# KiCad board mixer.pcb.kicad_pcb (continued)
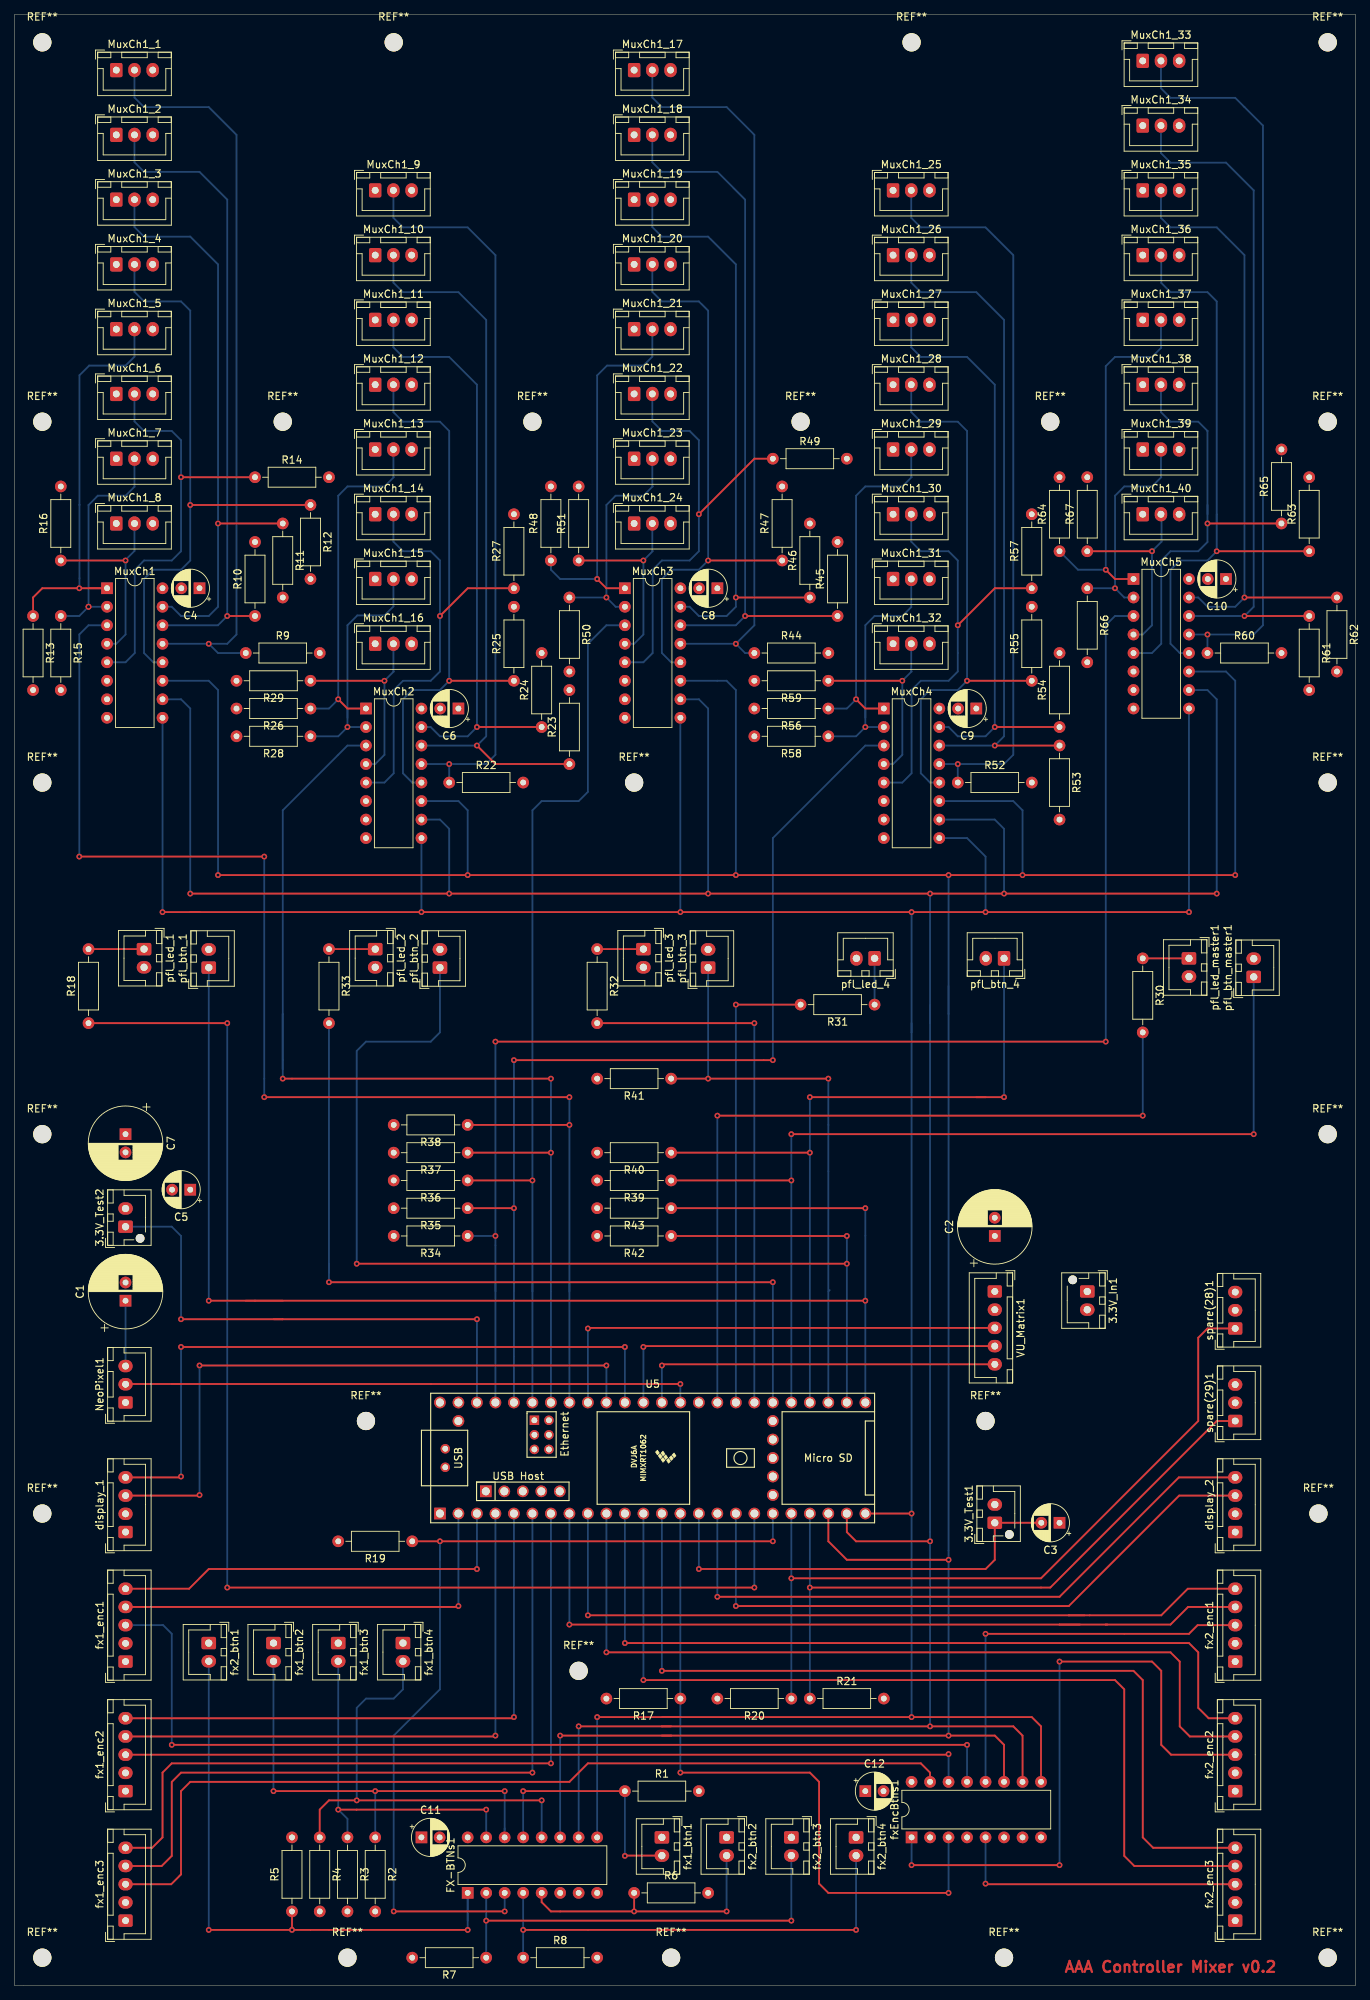
[diagram p0: board, top side]
## Nets
+3V3: 3.3V_In1.1 3.3V_Test1.2 3.3V_Test2.2 C1.1 C2.1 C4.2 C5.2 C6.2 C7.2 C8.2 C9.2 C10.2 C11.2 C12.2 display_1.1 display_2.1 fx1_btn1.1 fx1_btn2.1 fx1_btn3.1 fx1_btn4.1 fx1_enc1.2 fx1_enc2.2 fx1_enc3.2 fx2_btn1.1 fx2_btn2.1 fx2_btn3.1 fx2_btn4.1 fx2_enc1.2 fx2_enc2.2 fx2_enc3.2 FX-BTNs1.16 fxEncBtns1.16 MuxCh1.16 MuxCh1_1.1 MuxCh1_2.1 MuxCh1_3.1 MuxCh1_4.1 MuxCh1_5.1 MuxCh1_6.1 MuxCh1_7.1 MuxCh1_8.1 MuxCh1_9.1 MuxCh1_10.1 MuxCh1_11.1 MuxCh1_12.1 MuxCh1_13.1 MuxCh1_14.1 MuxCh1_15.1 MuxCh1_16.1 MuxCh1_17.1 MuxCh1_18.1 MuxCh1_19.1 MuxCh1_20.1 MuxCh1_21.1 MuxCh1_22.1 MuxCh1_23.1 MuxCh1_24.1 MuxCh1_25.1 MuxCh1_26.1 MuxCh1_27.1 MuxCh1_28.1 MuxCh1_29.1 MuxCh1_30.1 MuxCh1_31.1 MuxCh1_32.1 MuxCh1_33.1 MuxCh1_34.1 MuxCh1_35.1 MuxCh1_36.1 MuxCh1_37.1 MuxCh1_38.1 MuxCh1_39.1 MuxCh1_40.1 MuxCh2.16 MuxCh3.16 MuxCh4.16 MuxCh5.16 NeoPixel1.3 pfl_btn_1.2 pfl_btn_2.2 pfl_btn_3.2 pfl_btn_4.2 pfl_btn_master1.2 pfl_led_1.2 pfl_led_2.2 pfl_led_3.2 pfl_led_4.2 pfl_led_master1.2 spare(28)1.3 spare(29)1.3 VU_Matrix1.1
GND: 3.3V_In1.2 C1.2 C2.2 C3.1 C4.1 C5.1 C6.1 C7.1 C8.1 C9.1 C10.1 C11.1 C12.1 display_1.2 display_2.2 fx1_enc1.1 fx1_enc2.1 fx1_enc3.1 fx2_enc1.1 fx2_enc2.1 fx2_enc3.1 FX-BTNs1.6 FX-BTNs1.7 FX-BTNs1.8 fxEncBtns1.6 fxEncBtns1.7 fxEncBtns1.8 MuxCh1.6 MuxCh1.7 MuxCh1.8 MuxCh1_1.3 MuxCh1_2.3 MuxCh1_3.3 MuxCh1_4.3 MuxCh1_5.3 MuxCh1_6.3 MuxCh1_7.3 MuxCh1_8.3 MuxCh1_9.3 MuxCh1_10.3 MuxCh1_11.3 MuxCh1_12.3 MuxCh1_13.3 MuxCh1_14.3 MuxCh1_15.3 MuxCh1_16.3 MuxCh1_17.3 MuxCh1_18.3 MuxCh1_19.3 MuxCh1_20.3 MuxCh1_21.3 MuxCh1_22.3 MuxCh1_23.3 MuxCh1_24.3 MuxCh1_25.3 MuxCh1_26.3 MuxCh1_27.3 MuxCh1_28.3 MuxCh1_29.3 MuxCh1_30.3 MuxCh1_31.3 MuxCh1_32.3 MuxCh1_33.3 MuxCh1_34.3 MuxCh1_35.3 MuxCh1_36.3 MuxCh1_37.3 MuxCh1_38.3 MuxCh1_39.3 MuxCh1_40.3 MuxCh2.6 MuxCh2.7 MuxCh2.8 MuxCh3.6 MuxCh3.7 MuxCh3.8 MuxCh4.6 MuxCh4.7 MuxCh4.8 MuxCh5.6 MuxCh5.7 MuxCh5.8 NeoPixel1.1 R1.2 R2.2 R3.2 R4.2 R5.2 R6.2 R7.2 R8.2 R9.2 R10.2 R11.2 R12.2 R13.2 R14.2 R15.2 R16.2 R17.2 R19.2 R20.2 R21.2 R22.2 R23.2 R24.2 R25.2 R26.2 R27.2 R28.2 R29.2 R34.2 R35.2 R36.2 R37.2 R38.2 R39.2 R40.2 R41.2 R42.2 R43.2 R44.2 R45.2 R46.2 R47.2 R48.2 R49.2 R50.2 R51.2 R52.2 R53.2 R54.2 R55.2 R56.2 R57.2 R58.2 R59.2 R60.2 R61.2 R62.2 R63.2 R64.2 R65.2 R66.2 R67.2 spare(28)1.2 spare(29)1.2 U5.1 U5.34 U5.47 VU_Matrix1.2
display_scl1: display_1.4 U5.38
display_scl2: display_2.4 U5.16
display_sda1: display_1.3 U5.39
display_sda2: display_2.3 U5.17
mux_ch1: MuxCh1.3 R38.1 U5.41
mux_ch2: MuxCh2.3 R37.1 U5.42
mux_ch3: MuxCh3.3 R36.1 U5.43
mux_ch4: MuxCh4.3 R35.1 U5.44
mux_encBtn_fx: fxEncBtns1.3 R17.1 U5.14
mux_master: MuxCh5.3 R34.1 U5.45
mux_selBtn_fx: FX-BTNs1.3 R19.1 U5.19
neopixel: NeoPixel1.2 U5.35
pfl_btn_ch1: pfl_btn_1.1 R43.1 U5.25
pfl_btn_ch2: pfl_btn_2.1 R42.1 U5.26
pfl_btn_ch3: pfl_btn_3.1 R41.1 U5.27
pfl_btn_ch4: pfl_btn_4.1 R40.1 U5.28
pfl_btn_master: pfl_btn_master1.1 R39.1 U5.29
pfl_led_ch1: pfl_led_1.1 R18.2
pfl_led_ch2: pfl_led_2.1 R33.1
pfl_led_ch3: pfl_led_3.1 R32.1
pfl_led_ch4: pfl_led_4.1 R31.1
pfl_led_master: pfl_led_master1.1 R30.1
pin28: R20.1 spare(28)1.1 U5.20
pin29: R21.1 spare(29)1.1 U5.21
rEnc0_clk: fx1_enc1.5 U5.3
rEnc0_DT: fx1_enc1.4 U5.2
rEnc1_clk: fx1_enc2.5 U5.5
rEnc1_DT: fx1_enc2.4 U5.4
rEnc2_clk: fx1_enc3.5 U5.7
rEnc2_DT: fx1_enc3.4 U5.6
rEnc3_clk: fx2_enc1.5 U5.9
rEnc3_DT: fx2_enc1.4 U5.8
rEnc4_clk: fx2_enc2.5 U5.11
rEnc4_DT: fx2_enc2.4 U5.10
rEnc5_clk: fx2_enc3.5 U5.13
rEnc5_DT: fx2_enc3.4 U5.12
s0: FX-BTNs1.11 fxEncBtns1.11 MuxCh1.11 MuxCh2.11 MuxCh3.11 MuxCh4.11 MuxCh5.11 U5.22
s1: FX-BTNs1.10 fxEncBtns1.10 MuxCh1.10 MuxCh2.10 MuxCh3.10 MuxCh4.10 MuxCh5.10 U5.23
s2: FX-BTNs1.9 fxEncBtns1.9 MuxCh1.9 MuxCh2.9 MuxCh3.9 MuxCh4.9 MuxCh5.9 U5.24
vu_clk: U5.36 VU_Matrix1.5
vu_cs: U5.37 VU_Matrix1.4
vu_din: U5.40 VU_Matrix1.3
Net-(3.3V_Test1-Pad1): 3.3V_Test1.1 C3.2 U5.15
Net-(3.3V_Test2-Pad1): 3.3V_Test2.1 U5.46
Net-(fx1_enc1-Pad3): fx1_enc1.3 fxEncBtns1.13
Net-(fx1_enc2-Pad3): fx1_enc2.3 fxEncBtns1.14
Net-(fx1_enc3-Pad3): fx1_enc3.3 fxEncBtns1.15
Net-(fx2_enc1-Pad3): fx2_enc1.3 fxEncBtns1.12
Net-(fx2_enc2-Pad3): fx2_enc2.3 fxEncBtns1.1
Net-(fx2_enc3-Pad3): fx2_enc3.3 fxEncBtns1.5
Net-(FX-BTNs1-Pad1): fx2_btn1.2 FX-BTNs1.1 R5.1
Net-(FX-BTNs1-Pad2): fx2_btn3.2 FX-BTNs1.2 R7.1
Net-(FX-BTNs1-Pad4): fx2_btn4.2 FX-BTNs1.4 R8.1
Net-(FX-BTNs1-Pad5): fx2_btn2.2 FX-BTNs1.5 R6.1
Net-(FX-BTNs1-Pad12): fx1_btn4.2 FX-BTNs1.12 R4.1
Net-(FX-BTNs1-Pad13): fx1_btn1.2 FX-BTNs1.13 R1.1
Net-(FX-BTNs1-Pad14): fx1_btn2.2 FX-BTNs1.14 R2.1
Net-(FX-BTNs1-Pad15): fx1_btn3.2 FX-BTNs1.15 R3.1
Net-(fxEncBtns1-Pad2): fxEncBtns1.2
Net-(fxEncBtns1-Pad4): fxEncBtns1.4
Net-(MuxCh1-Pad1): MuxCh1.1 MuxCh1_5.2 R13.1
Net-(MuxCh1-Pad2): MuxCh1.2 MuxCh1_7.2 R15.1
Net-(MuxCh1-Pad4): MuxCh1.4 MuxCh1_8.2 R16.1
Net-(MuxCh1-Pad5): MuxCh1.5 MuxCh1_6.2 R14.1
Net-(MuxCh1-Pad12): MuxCh1.12 MuxCh1_4.2 R12.1
Net-(MuxCh1-Pad13): MuxCh1.13 MuxCh1_1.2 R9.1
Net-(MuxCh1-Pad14): MuxCh1.14 MuxCh1_2.2 R10.1
Net-(MuxCh1-Pad15): MuxCh1.15 MuxCh1_3.2 R11.1
Net-(MuxCh1_9-Pad2): MuxCh1_9.2 MuxCh2.13 R22.1
Net-(MuxCh1_10-Pad2): MuxCh1_10.2 MuxCh2.14 R23.1
Net-(MuxCh1_11-Pad2): MuxCh1_11.2 MuxCh2.15 R24.1
Net-(MuxCh1_12-Pad2): MuxCh1_12.2 MuxCh2.12 R25.1
Net-(MuxCh1_13-Pad2): MuxCh1_13.2 MuxCh2.1 R26.1
Net-(MuxCh1_14-Pad2): MuxCh1_14.2 MuxCh2.5 R27.1
Net-(MuxCh1_15-Pad2): MuxCh1_15.2 MuxCh2.2 R28.1
Net-(MuxCh1_16-Pad2): MuxCh1_16.2 MuxCh2.4 R29.1
Net-(MuxCh1_17-Pad2): MuxCh1_17.2 MuxCh3.13 R44.1
Net-(MuxCh1_18-Pad2): MuxCh1_18.2 MuxCh3.14 R45.1
Net-(MuxCh1_19-Pad2): MuxCh1_19.2 MuxCh3.15 R46.1
Net-(MuxCh1_20-Pad2): MuxCh1_20.2 MuxCh3.12 R47.1
Net-(MuxCh1_21-Pad2): MuxCh1_21.2 MuxCh3.1 R48.1
Net-(MuxCh1_22-Pad2): MuxCh1_22.2 MuxCh3.5 R49.1
Net-(MuxCh1_23-Pad2): MuxCh1_23.2 MuxCh3.2 R50.1
Net-(MuxCh1_24-Pad2): MuxCh1_24.2 MuxCh3.4 R51.1
Net-(MuxCh1_25-Pad2): MuxCh1_25.2 MuxCh4.13 R52.1
Net-(MuxCh1_26-Pad2): MuxCh1_26.2 MuxCh4.14 R53.1
Net-(MuxCh1_27-Pad2): MuxCh1_27.2 MuxCh4.15 R54.1
Net-(MuxCh1_28-Pad2): MuxCh1_28.2 MuxCh4.12 R55.1
Net-(MuxCh1_29-Pad2): MuxCh1_29.2 MuxCh4.1 R56.1
Net-(MuxCh1_30-Pad2): MuxCh1_30.2 MuxCh4.5 R57.1
Net-(MuxCh1_31-Pad2): MuxCh1_31.2 MuxCh4.2 R58.1
Net-(MuxCh1_32-Pad2): MuxCh1_32.2 MuxCh4.4 R59.1
Net-(MuxCh1_33-Pad2): MuxCh1_33.2 MuxCh5.13 R60.1
Net-(MuxCh1_34-Pad2): MuxCh1_34.2 MuxCh5.14 R61.1
Net-(MuxCh1_35-Pad2): MuxCh1_35.2 MuxCh5.15 R62.1
Net-(MuxCh1_36-Pad2): MuxCh1_36.2 MuxCh5.12 R63.1
Net-(MuxCh1_37-Pad2): MuxCh1_37.2 MuxCh5.1 R64.1
Net-(MuxCh1_38-Pad2): MuxCh1_38.2 MuxCh5.5 R65.1
Net-(MuxCh1_39-Pad2): MuxCh1_39.2 MuxCh5.2 R66.1
Net-(MuxCh1_40-Pad2): MuxCh1_40.2 MuxCh5.4 R67.1
Net-(R18-Pad1): R18.1 U5.18
Net-(R30-Pad2): R30.2 U5.33
Net-(R31-Pad2): R31.2 U5.32
Net-(R32-Pad2): R32.2 U5.31
Net-(R33-Pad2): R33.2 U5.30
Net-(U5-Pad48): U5.48
Net-(U5-Pad49): U5.49
Net-(U5-Pad50): U5.50
Net-(U5-Pad51): U5.51
Net-(U5-Pad52): U5.52
Net-(U5-Pad53): U5.53
Net-(U5-Pad54): U5.54
Net-(U5-Pad55): U5.55
Net-(U5-Pad56): U5.56
Net-(U5-Pad57): U5.57
Net-(U5-Pad58): U5.58
Net-(U5-Pad59): U5.59
Net-(U5-Pad60): U5.60
Net-(U5-Pad61): U5.61
Net-(U5-Pad62): U5.62
Net-(U5-Pad63): U5.63
Net-(U5-Pad64): U5.64
Net-(U5-Pad65): U5.65
Net-(U5-Pad66): U5.66
Net-(U5-Pad67): U5.67

## Via types
v1: diameter 0.8, hole 0.4, Top to Bottom, 167 vias

## Routing (per net, layer and track width the routed paths; a pad name or vN(x,y) marks a point on that pad's centre or on a via; arc(x,y) is an arc through that point)
+3V3: length 9
  Bottom w0.25: C1.1 NeoPixel1.3
display_scl1: length 94
  Top w0.25: v1(22.86,69.85) 22.74,69.73 display_1.4 ; v1(22.86,87.63) v1(83.82,87.63)
  Bottom w0.25: v1(22.86,69.85) v1(22.86,87.63) ; v1(83.82,87.63) U5.38
display_scl2: length 89.3
  Top w0.25: v1(96.52,53.34) 143.51,53.34 159.9,69.73 display_2.4
  Bottom w0.25: v1(96.52,53.34) U5.16
display_sda1: length 88.9
  Top w0.25: display_1.3 25.32,67.23 v1(25.4,67.31) ; v1(81.28,85.09) v1(25.4,85.09)
  Bottom w0.25: U5.39 v1(81.28,85.09) ; v1(25.4,67.31) v1(25.4,85.09)
display_sda2: length 87.6
  Top w0.25: display_2.3 159.94,67.23 144.78,52.07 v1(99.06,52.07)
  Bottom w0.25: v1(99.06,52.07) U5.17
mux_ch1: length 192.3
  Top w0.25: v1(34.29,121.92) v1(76.2,121.92) ; R38.1 v1(76.2,118.11) ; v1(8.89,154.94) v1(34.29,154.94)
  Bottom w0.25: 76.2,95.25 76.2,96.52 ; 76.2,96.52 U5.41 ; 76.2,96.52 v1(76.2,121.92) ; v1(8.89,154.94) 8.89,185.42 10.16,186.69 MuxCh1.3 ; v1(34.29,154.94) v1(34.29,121.92)
mux_ch2: length 152.3
  Top w0.25: R37.1 v1(73.66,114.3) ; v1(36.83,124.46) v1(73.66,124.46)
  Bottom w0.25: v1(36.83,124.46) 36.83,133.35 ; 36.83,133.35 36.83,125.73 ; 36.83,133.35 36.83,161.29 45.72,170.18 MuxCh2.3 ; v1(73.66,124.46) v1(73.66,114.3) U5.42
mux_ch3: length 126.6
  Top w0.25: R36.1 v1(71.12,110.49)
  Bottom w0.25: U5.43 71.12,96.52 ; 71.12,96.52 71.12,95.25 ; 71.12,96.52 71.12,161.29 72.39,162.56 77.47,162.56 78.74,163.83 78.74,184.15 81.28,186.69 MuxCh3.3
mux_ch4: length 141.2
  Top w0.25: v1(104.14,127) v1(68.58,127) ; R35.1 v1(68.58,106.68)
  Bottom w0.25: U5.44 68.58,96.52 ; MuxCh4.3 116.84,170.18 104.14,157.48 v1(104.14,127) ; 68.58,96.52 v1(68.58,127) ; 68.58,96.52 68.58,95.25
mux_encBtn_fx: length 95
  Top w0.25: v1(128.27,12.7) 111.76,12.7 110.49,13.97 110.49,27.94 109.22,29.21 v1(91.44,29.21)
  Bottom w0.25: fxEncBtns1.3 v1(128.27,12.7) ; U5.14 R17.1 v1(91.44,29.21)
mux_master: length 199.9
  Top w0.25: v1(66.04,129.54) v1(149.86,129.54)
  Bottom w0.25: 66.04,96.52 U5.45 ; 66.04,96.52 v1(66.04,102.87) ; 66.04,96.52 66.04,95.25 ; v1(66.04,102.87) v1(66.04,129.54) ; v1(66.04,102.87) R34.1 ; v1(149.86,129.54) 149.86,186.69 151.13,187.96 MuxCh5.3
mux_selBtn_fx: length 125.8
  Top w0.25: v1(67.31,10.16) v1(52.07,10.16) ; R19.1 v1(58.42,60.96) v1(104.14,60.96)
  Bottom w0.25: FX-BTNs1.3 v1(67.31,10.16) ; 58.42,59.69 58.42,40.64 52.07,34.29 v1(52.07,10.16) ; 58.42,59.69 58.42,58.42 ; 58.42,59.69 v1(58.42,60.96) ; v1(104.14,60.96) U5.19
neopixel: length 80
  Top w0.25: NeoPixel1.2 15.28,82.55 22.86,82.55 ; 22.86,82.55 v1(91.44,82.55) ; 22.86,82.55 21.59,82.55
  Bottom w0.25: U5.35 v1(91.44,82.55)
pfl_btn_ch1: length 194.3
  Top w0.25: 31.75,93.98 v1(116.84,93.98) ; 36.83,93.98 v1(26.67,93.98) ; R43.1 v1(116.84,106.68)
  Bottom w0.25: U5.25 v1(116.84,93.98) v1(116.84,106.68) ; pfl_btn_1.1 v1(26.67,93.98)
pfl_btn_ch2: length 164.9
  Top w0.25: v1(46.99,99.06) v1(114.3,99.06) ; R42.1 v1(114.3,102.87)
  Bottom w0.25: v1(114.3,102.87) v1(114.3,99.06) U5.26 ; pfl_btn_2.1 58.42,130.81 57.15,129.54 48.26,129.54 46.99,128.27 v1(46.99,99.06)
pfl_btn_ch3: length 81.5
  Top w0.25: v1(111.76,124.46) v1(95.25,124.46) R41.1
  Bottom w0.25: v1(111.76,124.46) U5.27 ; 111.94,95.43 111.76,95.25 ; pfl_btn_3.1 v1(95.25,124.46)
pfl_btn_ch4: length 107.9
  Top w0.25: 133.35,121.92 v1(109.22,121.92) ; R40.1 v1(109.22,114.3) ; v1(135.89,121.92) 132.08,121.92
  Bottom w0.25: v1(109.22,121.92) v1(109.22,114.3) U5.28 ; pfl_btn_4.1 v1(135.89,121.92)
pfl_btn_master: length 138.4
  Top w0.25: v1(170.18,116.84) v1(106.68,116.84) ; R39.1 v1(106.68,110.49)
  Bottom w0.25: v1(106.68,116.84) v1(106.68,110.49) U5.29 ; pfl_btn_master1.1 v1(170.18,116.84)
pfl_led_ch1: length 7.6
  Top w0.25: pfl_led_1.1 R18.2
pfl_led_ch2: length 6.3
  Top w0.25: pfl_led_2.1 R33.1
pfl_led_ch3: length 6.4
  Top w0.25: pfl_led_3.1 R32.1
pfl_led_ch4: length 6.3
  Bottom w0.25: pfl_led_4.1 R31.1
pfl_led_master: length 6.4
  Top w0.25: pfl_led_master1.1 R30.1
pin28: length 107.3
  Top w0.25: spare(28)1.1 163.83,90.17 162.56,88.9 162.56,77.47 140.97,55.88 v1(106.68,55.88)
  Bottom w0.25: U5.20 v1(106.68,55.88) R20.1
pin29: length 93.3
  Top w0.25: v1(109.22,54.61) 142.24,54.61 165.1,77.47 spare(29)1.1
  Bottom w0.25: R21.1 U5.21
rEnc0_clk: length 57
  Top w0.25: v1(63.5,57.15) 26.67,57.15 23.97,54.45 fx1_enc1.5
  Bottom w0.25: v1(63.5,57.15) U5.3
rEnc0_DT: length 58.5
  Top w0.25: fx1_enc1.4 60.84,51.95 v1(60.96,52.07)
  Bottom w0.25: v1(60.96,52.07) U5.2
rEnc1_clk: length 81.3
  Top w0.25: fx1_enc2.5 68.42,36.67 v1(68.58,36.83)
  Bottom w0.25: v1(68.58,36.83) U5.5
rEnc1_DT: length 81.3
  Top w0.25: v1(66.04,34.29) 65.92,34.17 fx1_enc2.4
  Bottom w0.25: v1(66.04,34.29) U5.4
rEnc2_clk: length 102.7
  Top w0.25: v1(73.66,30.48) 21.59,30.48 20.32,29.21 20.32,20.32 18.89,18.89 fx1_enc3.5
  Bottom w0.25: v1(73.66,30.48) U5.7
rEnc2_DT: length 102.9
  Top w0.25: v1(71.12,29.21) 22.86,29.21 21.59,27.94 21.59,17.78 20.2,16.39 fx1_enc3.4 15.36,16.51
  Bottom w0.25: v1(71.12,29.21) U5.6
rEnc3_clk: length 106.5
  Top w0.25: 144.78,50.8 146.92,50.8 ; 144.78,50.8 157.48,50.8 161.13,54.45 fx2_enc1.5 ; 144.78,50.8 v1(78.74,50.8)
  Bottom w0.25: U5.9 v1(78.74,50.8)
rEnc3_DT: length 110.7
  Top w0.25: 146.29,49.53 143.51,49.53 ; 143.51,49.53 149.86,49.53 ; 143.51,49.53 v1(76.2,49.53) ; 149.86,49.53 158.75,49.53 161.17,51.95 fx2_enc1.4 ; 149.86,49.53 150.1,49.53
  Bottom w0.25: v1(76.2,49.53) U5.8
rEnc4_clk: length 110.3
  Top w0.25: fx2_enc2.5 163.99,36.67 162.56,38.1 162.56,45.72 161.29,46.99 v1(83.82,46.99)
  Bottom w0.25: v1(83.82,46.99) U5.11
rEnc4_DT: length 115.4
  Top w0.25: fx2_enc2.4 161.41,34.17 160.02,35.56 160.02,44.45 158.75,45.72 v1(81.28,45.72)
  Bottom w0.25: v1(81.28,45.72) U5.10
rEnc5_clk: length 123
  Top w0.25: v1(88.9,43.18) 153.67,43.18 154.94,41.91 154.94,20.32 156.37,18.89 fx2_enc3.5
  Bottom w0.25: v1(88.9,43.18) U5.13
rEnc5_DT: length 128.1
  Top w0.25: v1(86.36,41.91) 151.13,41.91 152.4,40.64 152.4,17.78 153.79,16.39 fx2_enc3.4
  Bottom w0.25: v1(86.36,41.91) U5.12
s0: length 502
  Top w0.25: 90.17,34.29 v1(128.27,34.29) 134.62,34.29 135.89,33.02 fxEncBtns1.11 ; 90.17,34.29 88.9,34.29 ; 90.17,34.29 v1(74.93,34.29) ; U5.22 111.76,60.96 114.3,58.42 v1(128.27,58.42) ; v1(167.64,152.4) v1(138.43,152.4) v1(128.27,152.4) v1(62.23,152.4) v1(27.94,152.4)
  Bottom w0.25: v1(62.23,152.4) 62.23,161.29 60.96,162.56 MuxCh2.11 ; v1(128.27,152.4) 128.27,133.35 ; 128.27,133.35 128.27,137.16 ; 128.27,133.35 v1(128.27,34.29) ; MuxCh4.11 137.16,162.56 138.43,161.29 v1(138.43,152.4) ; MuxCh5.11 166.37,180.34 167.64,179.07 v1(167.64,152.4) ; MuxCh3.11 97.79,179.07 99.06,177.8 v1(99.06,152.4) ; v1(27.94,152.4) 27.94,177.8 26.67,179.07 MuxCh1.11 ; FX-BTNs1.11 v1(74.93,34.29)
s1: length 478.7
  Top w0.25: v1(24.13,149.86) v1(125.73,149.86) v1(135.89,149.86) v1(165.1,149.86) ; v1(125.73,60.96) 115.57,60.96 114.3,62.23 U5.23 ; v1(77.47,35.56) 88.9,35.56 ; 88.9,35.56 90.17,35.56 ; 88.9,35.56 v1(125.73,35.56) 137.16,35.56 138.43,34.29 fxEncBtns1.10
  Bottom w0.25: v1(24.13,149.86) 24.13,175.26 22.86,176.53 MuxCh1.10 ; MuxCh2.10 58.42,160.02 59.69,158.75 v1(59.69,149.86) ; v1(165.1,149.86) 165.1,176.53 163.83,177.8 MuxCh5.10 ; v1(125.73,35.56) v1(125.73,60.96) 125.73,132.08 ; MuxCh4.10 134.62,160.02 135.89,158.75 v1(135.89,149.86) ; MuxCh3.10 93.98,176.53 95.25,175.26 v1(95.25,149.86) ; 125.73,132.08 125.73,134.62 ; 125.73,132.08 v1(125.73,149.86) ; FX-BTNs1.10 v1(77.47,35.56)
s2: length 455
  Top w0.25: 91.44,36.83 v1(80.01,36.83) ; 91.44,36.83 v1(123.19,36.83) 139.7,36.83 140.97,35.56 fxEncBtns1.9 ; 91.44,36.83 88.9,36.83 ; 25.4,147.32 v1(55.88,147.32) v1(91.44,147.32) v1(123.19,147.32) v1(133.35,147.32) v1(161.29,147.32) ; 25.4,147.32 24.13,147.32 ; 25.4,147.32 v1(20.32,147.32) ; U5.24 v1(123.19,64.77)
  Bottom w0.25: MuxCh1.9 v1(20.32,147.32) ; 123.19,130.81 v1(123.19,64.77) v1(123.19,36.83) ; 123.19,130.81 v1(123.19,147.32) ; 123.19,130.81 123.19,132.08 ; v1(133.35,147.32) 133.35,154.94 130.81,157.48 MuxCh4.9 ; FX-BTNs1.9 v1(80.01,36.83) ; MuxCh2.9 v1(55.88,147.32) ; MuxCh3.9 v1(91.44,147.32) ; MuxCh5.9 v1(161.29,147.32)
vu_clk: length 50.9
  Top w0.25: VU_Matrix1.5 89.06,85.25 v1(88.9,85.09)
  Bottom w0.25: v1(88.9,85.09) U5.36
vu_cs: length 55.9
  Top w0.25: v1(86.36,87.63) 86.48,87.75 VU_Matrix1.4
  Bottom w0.25: v1(86.36,87.63) U5.37
vu_din: length 68.6
  Top w0.25: v1(78.74,90.17) 78.82,90.25 VU_Matrix1.3
  Bottom w0.25: v1(78.74,90.17) U5.40 78.74,82.55
Net-(3.3V_Test1-Pad1): length 60.3
  Top w0.25: C3.2 3.3V_Test1.1 134.62,58.42 133.35,57.15 v1(93.98,57.15)
  Bottom w0.25: v1(93.98,57.15) U5.15
Net-(3.3V_Test2-Pad1): length 72.9
  Top w0.25: v1(63.5,91.44) 36.83,91.44 ; 36.83,91.44 v1(22.86,91.44) ; 36.83,91.44 35.56,91.44
  Bottom w0.25: v1(22.86,91.44) 22.86,102.87 21.59,104.14 3.3V_Test2.1 ; U5.46 v1(63.5,91.44)
Net-(fx1_enc1-Pad3): length 136.4
  Top w0.25: v1(21.59,33.02) v1(130.81,33.02)
  Bottom w0.25: v1(21.59,33.02) 21.59,48.26 20.4,49.45 fx1_enc1.3 ; v1(130.81,33.02) fxEncBtns1.13
Net-(fx1_enc2-Pad3): length 116.9
  Top w0.25: v1(128.27,31.75) 128.19,31.67 fx1_enc2.3
  Bottom w0.25: v1(128.27,31.75) fxEncBtns1.14
Net-(fx1_enc3-Pad3): length 125.9
  Top w0.25: fxEncBtns1.15 125.73,29.21 124.46,30.48 78.74,30.48 76.2,27.94 24.13,27.94 22.86,26.67 22.86,15.24 21.51,13.89 fx1_enc3.3
Net-(fx2_enc1-Pad3): length 55.1
  Top w0.25: v1(133.35,48.26) 161.29,48.26 162.48,49.45 fx2_enc1.3
  Bottom w0.25: fxEncBtns1.12 v1(133.35,48.26)
Net-(fx2_enc2-Pad3): length 87.4
  Top w0.25: fx2_enc2.3 158.83,31.67 157.48,33.02 157.48,43.18 156.21,44.45 v1(143.51,44.45) ; v1(143.51,16.51) v1(123.19,16.51)
  Bottom w0.25: v1(123.19,16.51) fxEncBtns1.1 ; v1(143.51,44.45) v1(143.51,16.51)
Net-(fx2_enc3-Pad3): length 40.7
  Top w0.25: v1(133.35,13.97) 133.43,13.89 fx2_enc3.3
  Bottom w0.25: v1(133.35,13.97) fxEncBtns1.5
Net-(FX-BTNs1-Pad1): length 83.9
  Top w0.25: v1(38.1,7.62) v1(62.23,7.62) ; v1(38.1,7.62) R5.1 ; v1(38.1,7.62) v1(26.67,7.62)
  Bottom w0.25: v1(62.23,7.62) FX-BTNs1.1 62.23,8.89 ; v1(26.67,7.62) fx2_btn1.2
Net-(FX-BTNs1-Pad2): length 59.7
  Top w0.25: v1(106.68,8.89) v1(64.77,8.89)
  Bottom w0.25: fx2_btn3.2 v1(106.68,8.89) ; R7.1 v1(64.77,8.89) FX-BTNs1.2
Net-(FX-BTNs1-Pad4): length 64.8
  Top w0.25: v1(115.57,7.62) v1(69.85,7.62)
  Bottom w0.25: FX-BTNs1.4 v1(69.85,7.62) R8.1 ; fx2_btn4.2 v1(115.57,7.62)
Net-(FX-BTNs1-Pad5): length 37.4
  Top w0.25: v1(85.09,10.16) 73.66,10.16 72.39,11.43 FX-BTNs1.5 ; v1(85.09,10.16) v1(97.79,10.16) ; v1(85.09,10.16) R6.1
  Bottom w0.25: fx2_btn2.2 v1(97.79,10.16)
Net-(FX-BTNs1-Pad12): length 63.8
  Top w0.25: v1(72.39,25.4) v1(46.99,25.4) 43.18,25.4 41.91,24.13 R4.1
  Bottom w0.25: fx1_btn4.2 53.34,40.64 52.07,39.37 48.26,39.37 46.99,38.1 v1(46.99,25.4) ; v1(72.39,25.4) FX-BTNs1.12
Net-(FX-BTNs1-Pad13): length 34.3
  Top w0.25: fx1_btn1.2 83.86,17.82 v1(83.82,17.78) ; R1.1 v1(69.85,26.67)
  Bottom w0.25: v1(69.85,26.67) FX-BTNs1.13 ; v1(83.82,17.78) R1.1
Net-(FX-BTNs1-Pad14): length 63.5
  Top w0.25: v1(35.56,26.67) v1(49.53,26.67) v1(67.31,26.67)
  Bottom w0.25: v1(35.56,26.67) fx1_btn2.2 ; 67.31,21.59 FX-BTNs1.14 v1(67.31,26.67) ; R2.1 v1(49.53,26.67)
Net-(FX-BTNs1-Pad15): length 48.9
  Top w0.25: v1(44.45,24.13) v1(64.77,24.13) ; 46.95,24.09 46.99,24.13
  Bottom w0.25: v1(64.77,24.13) FX-BTNs1.15 ; R3.1 45.72,22.86 v1(44.45,24.13) fx1_btn3.2
Net-(MuxCh1-Pad1): length 57.8
  Top w0.25: 10.16,191.77 MuxCh1.1 v1(8.89,191.77) 3.81,191.77 2.54,190.5 R13.1
  Bottom w0.25: 8.91,203.22 8.91,191.79 v1(8.89,191.77) ; 8.91,203.22 8.91,221 10.24,222.33 15.24,222.33 16.47,223.56 MuxCh1_5.2 16.11,227.33 ; 8.91,203.22 8.89,203.2
Net-(MuxCh1-Pad2): length 32
  Bottom w0.25: v1(10.16,189.23) 8.89,187.96 R15.1 ; v1(10.16,189.23) 10.16,203.2 11.43,204.47 15.24,204.47 16.47,205.7 MuxCh1_7.2 ; v1(10.16,189.23) MuxCh1.2
Net-(MuxCh1-Pad4): length 27.7
  Top w0.25: R16.1 v1(15.24,195.58)
  Bottom w0.25: MuxCh1.4 13.97,184.15 15.24,185.42 v1(15.24,195.58) 15.24,195.66 16.47,196.89 MuxCh1_8.2
Net-(MuxCh1-Pad5): length 59.8
  Top w0.25: R14.1 v1(22.86,207.01)
  Bottom w0.25: MuxCh1_6.2 16.47,214.67 17.78,213.36 21.59,213.36 22.86,212.09 v1(22.86,207.01) 22.86,196.85 21.59,195.58 17.78,195.58 16.51,194.31 16.51,182.88 15.24,181.61 MuxCh1.5
Net-(MuxCh1-Pad12): length 83.9
  Top w0.25: R12.1 v1(24.13,203.2)
  Bottom w0.25: MuxCh1.12 19.05,181.61 17.78,182.88 17.78,193.04 19.05,194.31 22.86,194.31 24.13,195.58 v1(24.13,203.2) 24.13,229.87 22.86,231.14 17.78,231.14 16.47,232.45 MuxCh1_4.2
Net-(MuxCh1-Pad13): length 104.8
  Bottom w0.25: v1(26.67,184.15) 27.94,182.88 R9.1 ; MuxCh1.13 29.21,184.15 30.48,185.42 30.48,254 26.67,257.81 17.78,257.81 16.47,259.12 MuxCh1_1.2 16.51,262.89
Net-(MuxCh1-Pad14): length 89
  Top w0.25: R10.1 v1(29.21,187.96)
  Bottom w0.25: MuxCh1.14 27.94,186.69 v1(29.21,187.96) 29.21,245.11 25.4,248.92 17.78,248.92 16.47,250.23 MuxCh1_2.2
Net-(MuxCh1-Pad15): length 81.9
  Top w0.25: R11.1 v1(27.94,200.66)
  Bottom w0.25: MuxCh1.15 21.59,189.23 22.86,187.96 26.67,187.96 27.94,189.23 27.94,236.22 24.13,240.03 17.78,240.03 16.47,241.34 MuxCh1_3.2
Net-(MuxCh1_9-Pad2): length 101.7
  Bottom w0.25: MuxCh2.13 v1(59.69,167.64) ; v1(59.69,167.64) R22.1 ; v1(59.69,167.64) 64.77,167.64 66.04,168.91 66.04,237.49 62.23,241.3 53.34,241.3 52.03,242.61 MuxCh1_9.2
Net-(MuxCh1_10-Pad2): length 98.9
  Top w0.25: v1(63.5,170.18) 66.04,167.64 R23.1
  Bottom w0.25: MuxCh1_10.2 52.03,233.72 53.34,232.41 60.96,232.41 64.77,228.6 64.77,171.45 v1(63.5,170.18) MuxCh2.14
Net-(MuxCh1_11-Pad2): length 81.9
  Top w0.25: R24.1 v1(63.5,172.72)
  Bottom w0.25: MuxCh2.15 57.15,172.72 58.42,171.45 62.23,171.45 v1(63.5,172.72) 63.5,219.71 59.69,223.52 53.34,223.52 52.03,224.83 MuxCh1_11.2
Net-(MuxCh1_12-Pad2): length 76.3
  Top w0.25: R25.1 v1(59.69,179.07)
  Bottom w0.25: MuxCh1_12.2 52.03,215.94 53.34,214.63 58.42,214.63 59.69,213.36 v1(59.69,179.07) 58.42,177.8 54.61,177.8 53.34,176.53 53.34,166.37 54.61,165.1 MuxCh2.12
Net-(MuxCh1_13-Pad2): length 49.1
  Top w0.25: MuxCh2.1 45.72,175.26 v1(44.45,176.53)
  Bottom w0.25: R26.1 43.18,175.26 v1(44.45,176.53) 44.45,204.47 45.72,205.74 50.8,205.74 52.07,207.01 52.03,207.05 MuxCh1_13.2
Net-(MuxCh1_14-Pad2): length 61.4
  Top w0.25: R27.1 62.23,191.77 v1(58.42,187.96)
  Bottom w0.25: MuxCh1_14.2 52.03,198.16 53.34,196.85 57.15,196.85 58.42,195.58 v1(58.42,187.96) 58.42,180.34 57.15,179.07 53.34,179.07 52.07,177.8 52.07,166.37 50.8,165.1 MuxCh2.5
Net-(MuxCh1_15-Pad2): length 34.5
  Bottom w0.25: MuxCh1_15.2 52.03,189.27 50.8,188.04 47.07,188.04 45.72,186.69 45.72,175.26 ; 45.72,175.26 v1(45.72,172.72) ; 45.72,175.26 45.72,173.99 ; R28.1 44.45,171.45 v1(45.72,172.72) ; v1(45.72,172.72) MuxCh2.2
Net-(MuxCh1_16-Pad2): length 29
  Top w0.25: R29.1 v1(50.8,179.07)
  Bottom w0.25: MuxCh1_16.2 52.03,180.38 52.07,180.34 v1(50.8,179.07) 50.8,168.91 49.53,167.64 MuxCh2.4
Net-(MuxCh1_17-Pad2): length 101.5
  Bottom w0.25: MuxCh1_17.2 87.59,259.12 88.9,257.81 97.79,257.81 101.6,254 101.6,186.69 v1(99.06,184.15) ; v1(99.06,184.15) MuxCh3.13 ; v1(99.06,184.15) 100.33,182.88 R44.1
Net-(MuxCh1_18-Pad2): length 97.9
  Top w0.25: R45.1 v1(100.33,187.96)
  Bottom w0.25: MuxCh1_18.2 87.59,250.23 88.9,248.92 96.52,248.92 100.33,245.11 v1(100.33,187.96) 99.06,186.69 MuxCh3.14
Net-(MuxCh1_19-Pad2): length 83.2
  Top w0.25: R46.1 v1(99.06,190.5)
  Bottom w0.25: MuxCh1_19.2 87.59,241.34 88.9,240.03 95.25,240.03 99.06,236.22 v1(99.06,190.5) 99.06,189.23 97.79,187.96 93.98,187.96 92.71,189.23 MuxCh3.15
Net-(MuxCh1_20-Pad2): length 77.6
  Top w0.25: R47.1 v1(95.25,195.58)
  Bottom w0.25: MuxCh1_20.2 87.59,232.45 88.9,231.14 93.98,231.14 95.25,229.87 v1(95.25,195.58) 93.98,194.31 90.17,194.31 88.9,193.04 88.9,182.88 90.17,181.61 MuxCh3.12
Net-(MuxCh1_21-Pad2): length 52.8
  Top w0.25: MuxCh3.1 81.28,191.77 v1(80.01,193.04)
  Bottom w0.25: R48.1 73.66,194.31 74.93,193.04 v1(80.01,193.04) 80.01,220.98 81.36,222.33 86.36,222.33 87.59,223.56 MuxCh1_21.2
Net-(MuxCh1_22-Pad2): length 63
  Top w0.25: R49.1 101.6,209.55 v1(93.98,201.93)
  Bottom w0.25: MuxCh3.5 86.36,181.61 87.63,182.88 87.63,194.31 88.9,195.58 92.71,195.58 93.98,196.85 v1(93.98,201.93) 93.98,212.09 92.71,213.36 88.9,213.36 87.59,214.67 MuxCh1_22.2
Net-(MuxCh1_23-Pad2): length 32.1
  Bottom w0.25: v1(81.28,190.5) 81.28,203.2 82.55,204.47 86.36,204.47 87.63,205.74 87.59,205.78 MuxCh1_23.2 ; v1(81.28,190.5) R50.1 ; v1(81.28,190.5) 82.55,189.23 MuxCh3.2
Net-(MuxCh1_24-Pad2): length 27.7
  Top w0.25: R51.1 v1(86.36,195.58)
  Bottom w0.25: MuxCh1_24.2 87.59,196.89 87.63,196.85 v1(86.36,195.58) 86.36,185.42 85.09,184.15 MuxCh3.4
Net-(MuxCh1_25-Pad2): length 101.7
  Bottom w0.25: MuxCh1_25.2 123.15,242.61 124.46,241.3 133.35,241.3 137.16,237.49 137.16,168.91 135.89,167.64 v1(129.54,167.64) ; MuxCh4.13 v1(129.54,167.64) ; v1(129.54,167.64) R52.1
Net-(MuxCh1_26-Pad2): length 94.1
  Top w0.25: R53.1 v1(134.62,170.18)
  Bottom w0.25: MuxCh4.14 v1(134.62,170.18) 135.89,171.45 135.89,228.6 132.08,232.41 124.46,232.41 123.15,233.72 MuxCh1_26.2
Net-(MuxCh1_27-Pad2): length 81.9
  Top w0.25: R54.1 v1(134.62,172.72)
  Bottom w0.25: MuxCh4.15 128.27,172.72 129.54,171.45 133.35,171.45 v1(134.62,172.72) 134.62,219.71 130.81,223.52 124.46,223.52 123.15,224.83 MuxCh1_27.2
Net-(MuxCh1_28-Pad2): length 76.3
  Top w0.25: R55.1 v1(130.81,179.07)
  Bottom w0.25: MuxCh4.12 125.73,165.1 124.46,166.37 124.46,176.53 125.73,177.8 129.54,177.8 v1(130.81,179.07) 130.81,213.36 129.54,214.63 124.46,214.63 123.15,215.94 MuxCh1_28.2
Net-(MuxCh1_29-Pad2): length 49.5
  Top w0.25: MuxCh4.1 116.84,175.26 v1(115.57,176.53)
  Bottom w0.25: 122.79,210.82 MuxCh1_29.2 123.15,207.05 123.19,207.01 121.92,205.74 116.84,205.74 115.57,204.47 v1(115.57,176.53) 114.3,175.26 R56.1
Net-(MuxCh1_30-Pad2): length 61.9
  Top w0.25: R57.1 134.62,191.77 v1(129.54,186.69)
  Bottom w0.25: MuxCh4.5 121.92,165.1 123.19,166.37 123.19,177.8 124.46,179.07 128.27,179.07 129.54,180.34 v1(129.54,186.69) 129.54,195.58 128.27,196.85 124.46,196.85 123.15,198.16 MuxCh1_30.2
Net-(MuxCh1_31-Pad2): length 34.6
  Bottom w0.25: MuxCh4.2 v1(116.84,172.72) ; v1(116.84,172.72) 116.84,175.26 ; v1(116.84,172.72) 115.57,171.45 R58.1 ; 116.84,173.99 116.84,175.26 ; 116.84,175.26 116.84,186.69 118.11,187.96 121.92,187.96 123.15,189.19 MuxCh1_31.2
Net-(MuxCh1_32-Pad2): length 29
  Top w0.25: R59.1 v1(121.92,179.07)
  Bottom w0.25: MuxCh1_32.2 123.15,180.38 123.19,180.34 v1(121.92,179.07) 121.92,168.91 120.65,167.64 MuxCh4.4
Net-(MuxCh1_33-Pad2): length 101.7
  Bottom w0.25: MuxCh5.13 v1(163.83,185.42) ; v1(163.83,185.42) R60.1 ; v1(163.83,185.42) 170.18,185.42 171.45,186.69 171.45,255.27 167.64,259.08 158.75,259.08 157.44,260.39 MuxCh1_33.2
Net-(MuxCh1_34-Pad2): length 94.1
  Top w0.25: R61.1 v1(168.91,187.96)
  Bottom w0.25: MuxCh1_34.2 157.44,251.5 158.75,250.19 166.37,250.19 170.18,246.38 170.18,189.23 v1(168.91,187.96) MuxCh5.14
Net-(MuxCh1_35-Pad2): length 85.7
  Top w0.25: R62.1 v1(168.91,190.5)
  Bottom w0.25: MuxCh1_35.2 157.44,242.61 158.75,241.3 165.1,241.3 168.91,237.49 v1(168.91,190.5) 167.64,189.23 163.83,189.23 162.56,190.5 MuxCh5.15
Net-(MuxCh1_36-Pad2): length 81.4
  Top w0.25: R63.1 v1(165.1,196.85)
  Bottom w0.25: 157.48,237.49 157.48,233.68 158.75,232.41 163.83,232.41 165.1,231.14 165.1,201.93 ; 165.1,201.93 v1(165.1,196.85) 163.83,195.58 160.02,195.58 158.75,194.31 158.75,184.15 160.02,182.88 MuxCh5.12 ; 165.1,201.93 165.1,200.66
Net-(MuxCh1_37-Pad2): length 52.2
  Top w0.25: MuxCh5.1 151.13,193.04 v1(149.86,194.31)
  Bottom w0.25: R64.1 146.05,194.31 v1(149.86,194.31) 149.86,222.25 151.13,223.52 156.21,223.52 157.48,224.79 157.44,224.83 MuxCh1_37.2
Net-(MuxCh1_38-Pad2): length 61.1
  Top w0.25: R65.1 v1(163.83,200.66)
  Bottom w0.25: 163.83,213.36 163.79,213.36 ; 163.83,213.36 163.83,201.93 ; 163.83,213.36 162.56,214.63 158.75,214.63 157.44,215.94 MuxCh1_38.2 ; MuxCh5.5 156.21,182.88 157.48,184.15 157.48,195.58 158.75,196.85 162.56,196.85 163.83,198.12 v1(163.83,200.66) 163.83,203.2
Net-(MuxCh1_39-Pad2): length 30.8
  Bottom w0.25: v1(151.13,191.77) 152.4,190.5 MuxCh5.2 ; v1(151.13,191.77) R66.1 ; v1(151.13,191.77) 151.13,204.47 152.4,205.74 156.21,205.74 157.48,207.01 157.44,207.05 MuxCh1_39.2
Net-(MuxCh1_40-Pad2): length 27.7
  Top w0.25: R67.1 v1(156.21,196.85)
  Bottom w0.25: MuxCh5.4 154.94,185.42 156.21,186.69 v1(156.21,196.85) 157.52,198.16 157.52,201.93
Net-(R18-Pad1): length 179.1
  Top w0.25: v1(29.21,54.61) v1(101.6,54.61) ; R18.1 v1(29.21,132.08)
  Bottom w0.25: v1(29.21,132.08) v1(29.21,54.61) ; v1(101.6,54.61) U5.18
Net-(R30-Pad2): length 109.2
  Top w0.25: v1(154.94,119.38) v1(96.52,119.38)
  Bottom w0.25: v1(96.52,119.38) U5.33 ; R30.2 v1(154.94,119.38)
Net-(R31-Pad2): length 63.5
  Top w0.25: R31.2 v1(99.06,134.62)
  Bottom w0.25: v1(99.06,134.62) U5.32
Net-(R32-Pad2): length 73.7
  Top w0.25: R32.2 v1(101.6,132.08)
  Bottom w0.25: v1(101.6,132.08) U5.31
Net-(R33-Pad2): length 114.3
  Top w0.25: v1(43.18,96.52) v1(104.14,96.52)
  Bottom w0.25: R33.2 43.18,99.06 ; 43.18,99.06 43.18,97.79 ; 43.18,99.06 v1(43.18,96.52) ; v1(104.14,96.52) U5.30

## Copper pours and planes (outline as drawn; the poured copper is in the pictures)
+3V3 on In1.Cu: 184.15,-1.27 0,-1.27 0,270.51 184.15,270.51
+3V3 on In1.Cu: 184.15,-1.27 0,-1.27 0,270.51 184.15,270.51
+3V3 on In1.Cu: 184.15,-1.27 0,-1.27 0,270.51 184.15,270.51
+3V3 on In2.Cu: 184.15,-1.27 0,-1.27 0,270.51 184.15,270.51
GND on In1.Cu: 184.15,-1.27 0,-1.27 0,270.51 184.15,270.51
GND on In2.Cu: 184.15,-1.27 0,-1.27 0,270.51 184.15,270.51
GND on In2.Cu: 184.15,-1.27 0,-1.27 0,270.51 184.15,270.51
GND on In2.Cu: 184.15,-1.27 0,-1.27 0,270.51 184.15,270.51

## Text on the board
Top: AAA Controller Mixer v0.2
